# Allegro board 6089-103-RevA_73.brd (continued)
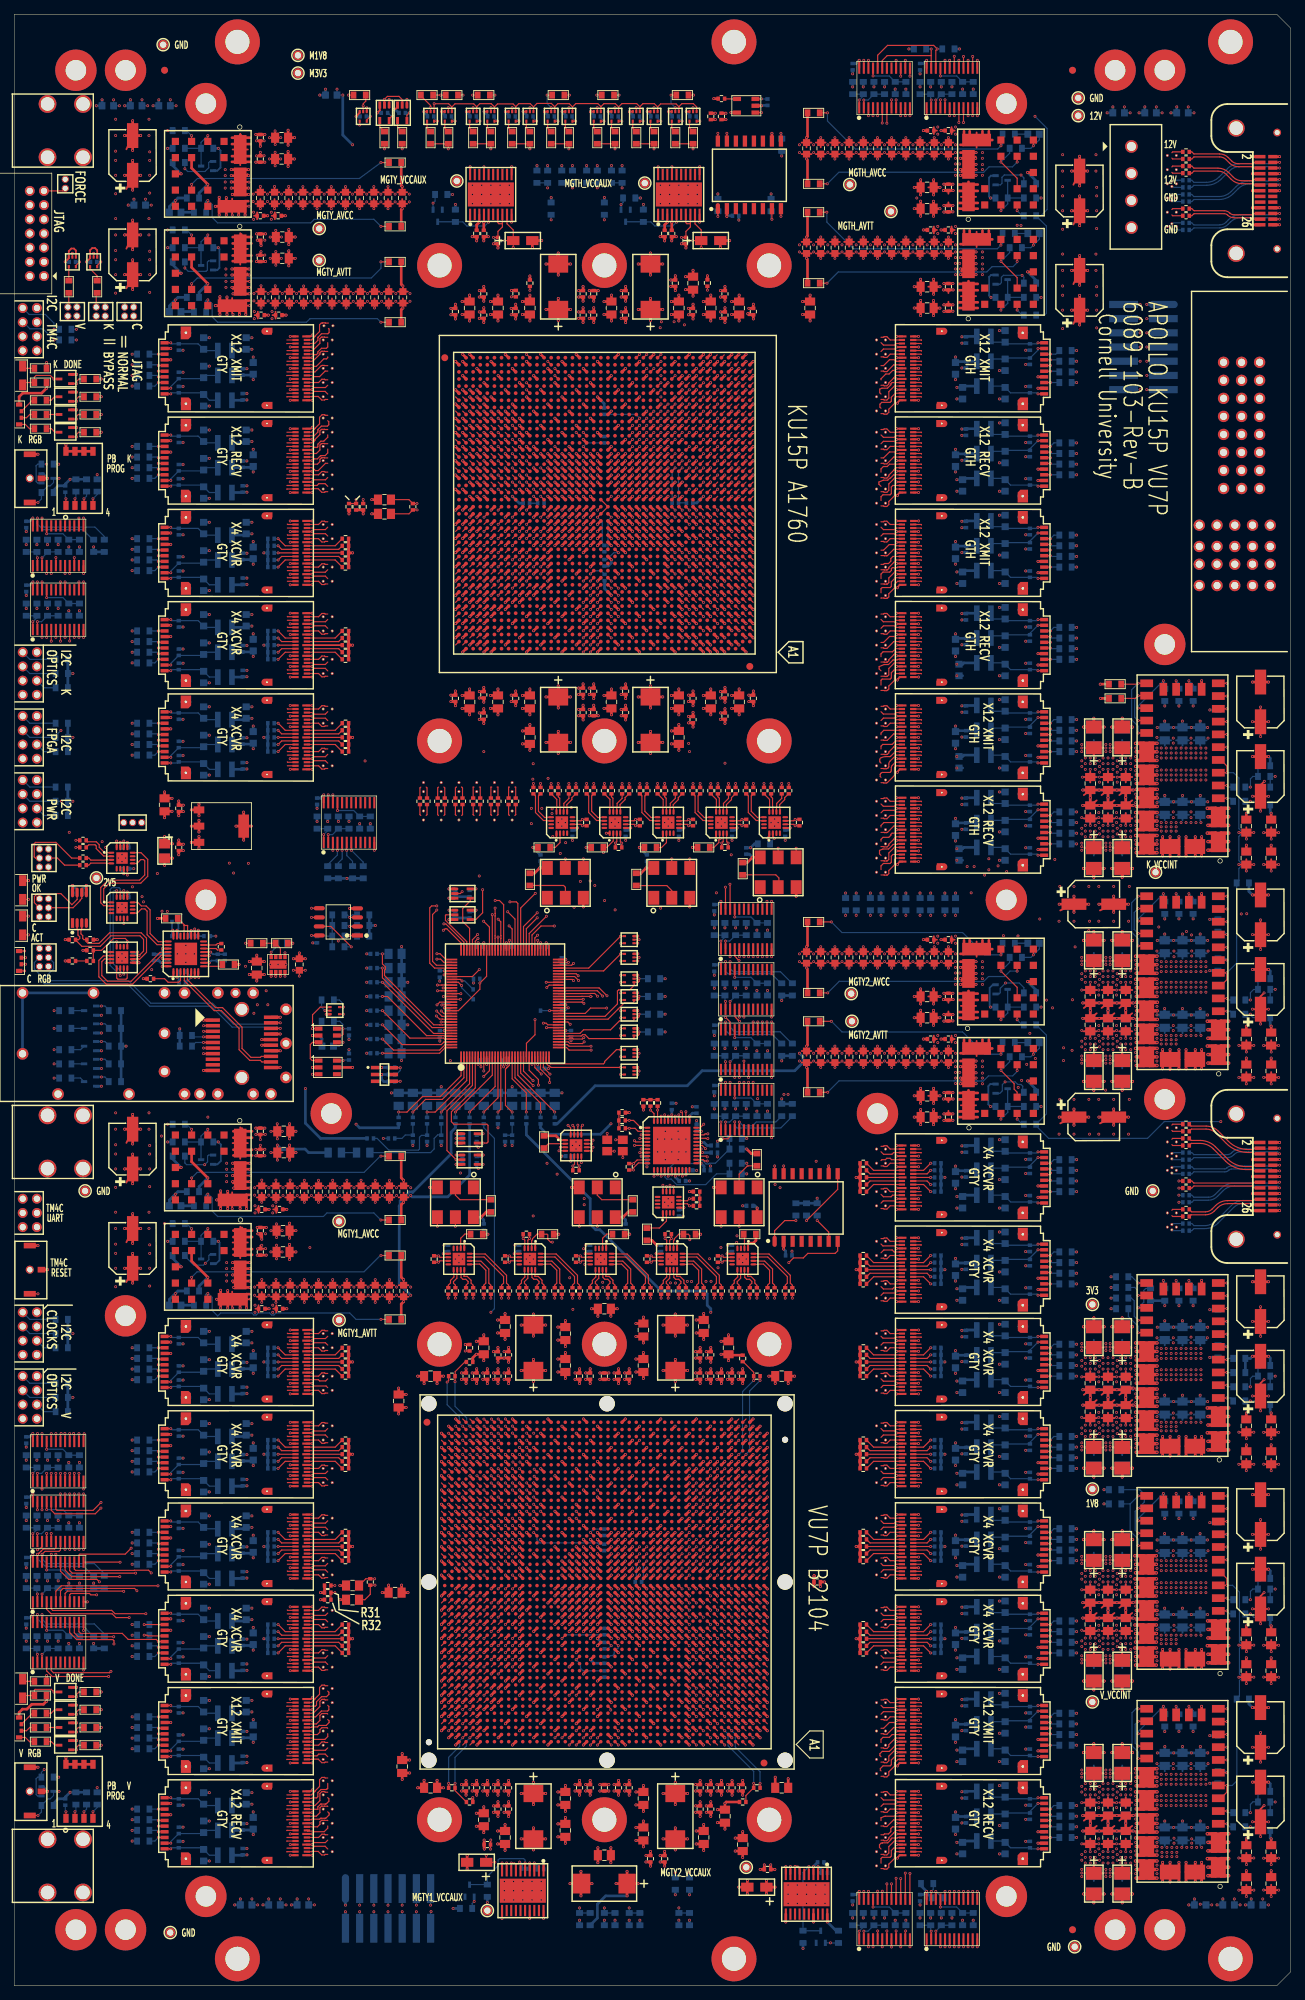
[diagram p0: board, top side]
## Routing (per net, layer and track width the routed paths; a pad name or vN(x,y) marks a point on that pad's centre or on a via; arc(x,y) is an arc through that point) (continued)
V_MGTY2_AVTT_OK: length 76.1
  TOP w0.165: v1(73.9,126.9) 73.9,127.69 72.6,129 U52.25 ; U121.9 v1(141.39,122.11)
  SIG2 w0.079: v1(141.39,122.11) 140.32,123.19 137.58,123.19 136.84,123.93 127.48,123.93 126.39,125.02 120.82,125.02 120.81,125.01 115.02,125.01 114.01,126.02 77.89,126.02 77,126.9 v1(73.9,126.9)
  BOTTOM w0.165: R324.2 142.1,121.4 v1(141.39,122.11)
V_MGTY2_VCCAUX: length 61.8
  TOP w0.25: U99.8 v1(110.08,16.8) 110.08,16.81 110.47,16.81 110.72,16.56 110.72,15.7 ; U99.9 v1(109.42,16.8)
  TOP w0.381: v1(98.2,84.87) C266.1 v1(97.56,85.45) ; U66.AE11 v1(96.16,58.86) ; U66.R11 v1(96.16,47.93) ; v1(97.56,28.35) C267.1 v1(98.2,28.93) ; U66.AC11 v1(96.16,55.93) ; v1(106.65,17.04) C302.1 v1(107.23,16.4) ; C299.1 v1(106.05,14.87) ; C299.1 v1(107.25,13.9) ; C299.1 v1(106.05,12.93) ; U66.U11 v1(96.16,49.93)
  PWR1 w0.254: 102.53,17.37 PM18.1 ; PM18.1 102.32,16.7 ; PM18.1 103.2,15.82 ; PM18.1 102.53,16.03 ; PM18.1 103.87,17.37 ; PM18.1 104.08,16.7 ; PM18.1 103.87,16.03 ; PM18.1 103.2,17.58
  BOTTOM w0.381: R490.1 72.2,119.9 81.2,110.9 81.2,107.32 81.99,106.52 82.58,106.52 91.2,97.9 97.32,97.9 97.7,97.52 97.7,95.9 98.2,95.4 v1(98.2,94.9)
V_OPTICS_I2C_SCL: length 180.9
  TOP w0.165: U101.22 v1(120.42,13.3) ; 3.92,68.2 v1(3.92,67.07) ; 3.92,76.7 v1(3.92,77.8)
  SIG1 w0.079: v1(120.42,13.3) 119.32,12.2 118.32,12.2 115.54,9.43 96.13,9.43 95.6,8.9 39.9,8.9 23.69,25.11 23.67,25.11 23.46,25.31 23.46,25.34 22.76,26.04 21.96,26.04 15.8,32.2 15.8,54.6 14.52,55.88 14.52,57.88 4.93,67.47 4.32,67.47 v1(3.92,67.07)
  SIG2 w0.079: v1(3.92,67.07) 4.78,67.92 4.78,71.48 4.09,72.17 4.09,77.64 v1(3.92,77.8) 3.92,77.84 4.75,78.66 4.75,84.36 J8.2
V_OPTICS_I2C_SDA: length 178.7
  TOP w0.165: U101.23 v1(119.78,13.3) ; U3.23 v1(3.27,77.8) ; U4.23 v1(3.27,67.07)
  SIG1 w0.079: v1(3.27,67.07) 4.07,67.86 5.64,67.86 16.8,56.7 16.8,55.64 17,55.44 17,32.3 22.5,26.8 23.1,26.8 37.32,12.58 40.03,12.58 40.23,12.38 40.23,12.37 43.2,9.4 67.6,9.4 68.1,9.9 115.5,9.9 118.2,12.6 119.07,12.6 v1(119.78,13.3)
  SIG2 w0.079: v1(3.27,67.07) 4.37,68.16 4.37,71.26 3.66,71.97 3.66,77.42 v1(3.27,77.8) 4.21,78.74 4.21,82.89 J8.4
V_TCK_1V8: length 221.9
  TOP w0.165: U66.AE13 v1(94.16,58.86) ; v1(84.7,258.83) R116.2 R113.2
  SIG3 w0.079: v1(84.7,258.83) 84.7,256.18 87.46,253.42 87.46,241.29 91.81,236.94 91.81,230.04 91.8,230.03 91.8,221.72 91.81,221.71 91.81,219.09 91.67,218.94 91.67,183.26 90.17,181.76 90.17,169.69 90.12,169.65 90.12,169.17 90.17,169.12 90.17,164.47 86.16,160.46 86.16,116.86 86.17,116.85 86.17,109.44 90.94,104.67 90.94,103.11 90.69,102.86 90.69,55.7 91.09,55.3 94.05,55.3 94.61,55.86 94.61,58.41 v1(94.16,58.86)
V_TDI: length 276.5
  TOP w0.165: U66.AE15 v1(92.17,58.86)
  SIG3 w0.079: v1(93.03,234.47) 93.69,233.81 93.69,184.42 94.71,183.4 94.71,167.97 95.53,167.14 95.53,160.79 94.8,160.06 94.8,124.16 95.55,123.4 95.55,113.04 93.97,111.46 93.97,108.6 93.96,108.59 93.96,108.31 93.97,108.3 93.97,98.6 92.68,97.31 92.68,59.38 92.17,58.87 v1(92.17,58.86) ; 7.57,235.26 7.04,235.26 6.49,235.81 6.49,236.41 14.23,244.16 14.44,244.16 14.47,244.18 18.83,244.18 18.96,244.06 33.16,244.06 33.96,244.86 34.94,244.86 35.09,245 53.2,245 57.92,240.28 86.68,240.28 91.24,235.72 v1(91.24,234.47)
  SIG4 w0.079: v1(93.03,234.47) v1(91.24,234.47)
V_TDO: length 277.6
  TOP w0.165: U66.AC13 v1(94.16,55.93)
  SIG3 w0.079: 8.84,235.26 8.93,235.26 13.3,239.65 20.75,239.65 24.39,243.29 35.29,243.29 36,244 39,244 39.5,244.5 53,244.5 57.7,239.8 85.35,239.8 91.06,234.08 91.06,233.63 v1(91.07,233.62) ; v1(94.16,55.93) 94.16,57.32 93.65,57.83 93.65,95.22 97.16,98.73 97.16,115.09 96.47,115.78 96.47,121.58 97.5,122.62 97.5,181.24 97.27,181.47 97,181.47 96.8,181.67 96.8,181.94 94.52,184.22 94.52,187.75 94.54,187.77 94.54,188.08 94.52,188.1 94.52,188.75 94.54,188.77 94.54,198.08 94.52,198.1 94.52,199.75 94.54,199.77 94.54,200.08 94.52,200.1 94.52,201.75 94.54,201.77 94.54,202.08 94.52,202.1 94.52,203.75 94.54,203.77 94.54,204.08 94.52,204.1 94.52,205.75 94.54,205.77 94.54,206.08 94.52,206.1 94.52,207.75 94.54,207.77 94.54,208.08 94.52,208.1 94.52,210.7 94.54,210.72 94.54,211.03 94.52,211.05 94.52,212.7 94.54,212.72 94.54,213.03 94.52,213.05 94.52,213.7 94.54,213.72 94.54,214.03 94.52,214.05 94.52,214.7 94.54,214.72 94.54,215.03 94.52,215.05 94.52,216.04 94.67,216.19 94.67,233.95 94.59,234.03 v1(94.48,234.03)
  SIG4 w0.079: v1(91.07,233.62) 91.52,234.07 94.54,234.07 94.58,234.03 v1(94.48,234.03)
V_TMS_1V8: length 227.2
  TOP w0.165: U66.AG15 v1(92.17,60.87) ; R92.2 R95.2 v1(67.2,258.83)
  SIG3 w0.079: v1(92.17,60.87) 91.77,61.28 91.77,86.51 91.82,86.56 91.82,104.54 89.68,106.67 89.68,122.89 89.33,123.24 89.33,123.55 90.58,124.8 90.58,164.48 92.1,166 92.1,181.76 92.59,182.25 92.59,235.05 92.3,235.34 92.3,239.23 92.22,239.31 92.22,239.59 92.3,239.67 92.3,240.13 92.22,240.21 92.22,240.49 92.3,240.57 92.3,246.43 90.5,248.23 90.5,248.28 90.43,248.35 90.43,254.86 85.39,259.89 68.27,259.89 v1(67.2,258.83)
V_VCCINT: length 415.9
  TOP w0.254: C411.1 155.1,55.81 ; C411.1 154.2,56.56 ; C411.1 153.3,55.81 ; C411.1 154.2,55.06 ; 151.7,55.06 C389.1 ; C389.1 150.8,55.81 ; C389.1 151.7,56.56 ; C389.1 152.6,55.81 ; 156.7,25.06 C433.1 ; C433.1 156.7,26.56 ; C433.1 155.8,25.81 ; C433.1 157.6,25.81 ; C404.1 152.2,16.95 ; C404.1 150.9,15.86 ; C404.1 153.5,15.86 ; 156.7,55.06 C431.1 ; C431.1 155.8,55.81 ; C431.1 157.6,55.81 ; C431.1 156.7,56.56 ; C402.1 152.2,46.95 ; C402.1 153.5,45.86 ; C402.1 150.9,45.86 ; 156.7,49.24 C432.1 ; C432.1 155.8,49.99 ; C432.1 157.6,49.99 ; C432.1 156.7,50.74 ; C414.1 154.2,20.74 ; C414.1 154.2,19.24 ; C414.1 155.1,19.99 ; C414.1 153.3,19.99 ; 156.2,58.85 C421.1 ; C421.1 154.9,59.94 ; C421.1 157.5,59.94 ; C392.1 151.7,20.74 ; C392.1 151.7,19.24 ; C392.1 152.6,19.99 ; 150.8,25.81 C391.1 ; C391.1 151.7,25.06 ; C391.1 152.6,25.81 ; C391.1 151.7,26.56 ; 154.2,25.06 C413.1 ; C413.1 153.3,25.81 ; C413.1 155.1,25.81 ; C413.1 154.2,26.56 ; 156.2,28.85 C423.1 ; C423.1 154.9,29.94 ; C423.1 157.5,29.94 ; C390.1 152.6,49.99 ; C390.1 150.8,49.99 ; C390.1 151.7,50.74 ; C390.1 151.7,49.24 ; 154.2,49.24 C412.1 ; C412.1 153.3,49.99 ; C412.1 154.2,50.74 ; C412.1 155.1,49.99 ; C422.1 156.2,46.95 ; C422.1 157.5,45.86 ; C422.1 154.9,45.86 ; C424.1 156.2,16.95 ; C424.1 157.5,15.86 ; C424.1 154.9,15.86 ; C434.1 157.6,19.99 ; C434.1 156.7,19.24 ; C434.1 156.7,20.74 ; C434.1 155.8,19.99 ; C401.1 153.5,59.94 ; C401.1 152.2,58.85 ; C401.1 150.9,59.94 ; C403.1 153.5,29.94 ; C403.1 152.2,28.85 ; C403.1 150.9,29.94
  TOP w0.381: U66.T15 v1(92.17,48.94) ; v1(87.65,27.31) C220.1 v1(88.7,28.22) ; v1(77.7,28.22) C169.1 v1(76.65,27.31) ; v1(161,59.39) 160.99,59.38 U125.22 ; U66.AG14 v1(93.16,60.87) ; C236.1 v1(93.2,85.15) ; C236.1 v1(91.47,86.7) ; C236.1 v1(93.2,88.25) ; C236.1 v1(94.93,86.7) ; U66.U20 v1(87.17,49.93) ; U66.AE20 v1(87.17,58.86) ; U66.V17 v1(90.17,50.92) ; v1(93.19,28.65) 93.19,28.61 93.2,28.61 C237.1 ; U66.T25 v1(81.24,48.94) ; U66.AK17 v1(90.17,63.87) ; U66.AA20 v1(87.17,53.95) ; U66.AA18 v1(89.18,53.95) ; U66.AF17 v1(90.17,59.85) ; v1(158.1,56.13) 158.11,56.12 U125.23 ; v1(80.56,28.35) C184.1 v1(81.2,28.93) ; U66.AA14 v1(93.16,53.95) ; U66.AB19 v1(88.16,54.94) ; v1(96.06,28.35) C255.1 v1(96.7,28.93) ; U66.AC16 v1(91.16,55.93) ; U66.V21 v1(86.15,50.92) ; U66.T23 v1(84.17,48.94) ; U66.V13 v1(94.16,50.92) ; v1(88.7,23.22) C221.1 v1(87.65,22.31) ; U66.W16 v1(91.16,51.94) ; U66.Y13 v1(94.16,52.93) ; v1(79.06,28.35) C176.1 v1(79.7,28.93) ; v1(89.06,18.35) C226.1 v1(89.7,18.93) ; C237.1 v1(94.93,27.1) ; C237.1 v1(91.47,27.1) ; C237.1 v1(93.2,25.55) ; U66.AH23 v1(84.17,61.86) ; v1(76.65,90.99) C167.1 v1(77.7,90.08) ; C157.1 v1(71.47,27.1) ; C157.1 73.2,28.61 73.19,28.61 v1(73.19,28.65) ; C157.1 v1(73.2,25.55) ; C157.1 v1(74.93,27.1) ; U66.V15 v1(92.17,50.92) ; U66.U22 v1(85.16,49.93) ; U126.22 161.08,29.38 v1(161.09,29.38) ; U66.AG22 v1(85.16,60.87) ; v1(86.7,84.87) C212.1 v1(86.06,85.45) ; U66.AB17 v1(90.17,54.94) ; U66.AE18 v1(89.18,58.86) ; U66.AE26 v1(80.25,58.86) ; v1(86.7,28.93) C213.1 v1(86.06,28.35) ; v1(69.7,84.87) C143.1 v1(69.06,85.45) ; U66.AD21 v1(86.15,57.87) ; U66.AG24 v1(82.23,60.87) ; U66.AD25 v1(81.24,57.87) ; U66.AA24 v1(82.23,53.95) ; U66.V23 v1(84.17,50.92) ; U66.AH15 v1(92.17,61.86) ; U66.T19 v1(88.16,48.94) ; U66.AH25 v1(81.24,61.86) ; U66.U24 v1(82.23,49.93) ; C156.1 v1(73.2,85.15) ; C156.1 v1(73.2,88.25) ; C156.1 v1(71.47,86.7) ; C156.1 v1(74.93,86.7) ; U66.AJ24 v1(82.23,62.88) ; v1(91.7,18.93) C231.1 v1(91.06,18.35) ; v1(81.2,84.87) C183.1 v1(80.56,85.45) ; 159.56,46.38 159.56,46.39 159.55,46.4 ; U66.U16 v1(91.16,49.93) ; v1(87.65,91.49) C218.1 v1(88.7,90.58) ; U66.AC22 v1(85.16,55.93) ; v1(96.7,84.87) C254.1 v1(96.06,85.45) ; U126.26 158.19,16.38 v1(158.18,16.39) ; U66.AK13 v1(94.16,63.87) ; C196.1 v1(87.95,14.4) ; C196.1 v1(86.4,16.13) ; C196.1 v1(86.4,12.67) ; C196.1 v1(84.85,14.4) ; U66.AF15 v1(92.17,59.85) ; U66.W24 v1(82.23,51.94) ; U66.T13 v1(94.16,48.94) ; v1(77.7,23.72) C170.1 v1(76.65,22.81) ; U66.Y21 v1(86.15,52.93) ; U66.AJ22 v1(85.16,62.88) ; v1(88.7,85.58) C219.1 v1(87.65,86.49) ; U66.T17 v1(90.17,48.94) ; U66.AD17 v1(90.17,57.87) ; v1(69.7,28.93) C144.1 v1(69.06,28.35) ; U66.AB21 v1(86.15,54.94) ; U66.U18 v1(89.18,49.93) ; U66.AK21 v1(86.15,63.87) ; U66.W20 v1(87.17,51.94) ; U66.AK23 v1(84.17,63.87) ; U66.AJ16 v1(91.16,62.88) ; v1(79.06,85.45) C175.1 v1(79.7,84.87) ; U66.AB25 v1(81.24,54.94) ; v1(84.56,28.35) C203.1 v1(85.2,28.93) ; U66.V25 v1(81.24,50.92) ; v1(161.01,49.64) 161,49.62 U125.25 ; v1(77.7,85.58) C168.1 v1(76.65,86.49) ; 159.64,29.38 159.63,29.38 159.63,29.38 ; 159.64,19.63 159.65,19.62 U126.25 ; U66.AB13 v1(94.16,54.94) ; U66.AJ20 v1(87.17,62.88) ; U66.Y17 v1(90.17,52.93) ; U66.AD19 v1(88.16,57.87) ; U66.AF25 v1(81.24,59.85) ; U66.AK15 v1(92.17,63.87) ; U66.AE22 v1(85.16,58.86) ; U66.AB23 v1(84.17,54.94) ; U66.W18 v1(89.18,51.94) ; U66.AK19 v1(88.16,63.87) ; U66.AC24 v1(82.23,55.93) ; U66.AD15 v1(92.17,57.87) ; U66.AJ14 v1(93.16,62.88) ; U66.AB15 v1(92.17,54.94) ; U66.Y15 v1(92.17,52.93) ; U66.T21 v1(86.15,48.94) ; U66.AA16 v1(91.16,53.95) ; U66.AA22 v1(85.16,53.95) ; U66.AH21 v1(86.15,61.86) ; U66.AG16 v1(91.16,60.87) ; U66.Y25 v1(81.24,52.93) ; U66.AC14 v1(93.16,55.93) ; U66.AH13 v1(94.16,61.86) ; U66.AH17 v1(90.17,61.86) ; U66.AC18 v1(89.18,55.93) ; C392.1 150.8,19.99 ; U125.26 160.99,46.38 v1(161,46.4) ; U66.AE24 v1(82.23,58.86) ; U66.V19 v1(88.16,50.92) ; U66.AG20 v1(87.17,60.87) ; v1(85.2,84.87) C202.1 v1(84.56,85.45) ; U66.Y23 v1(84.17,52.93) ; U66.W14 v1(93.16,51.94) ; U66.AE14 v1(93.16,58.86) ; U66.AF23 v1(84.17,59.85) ; U66.AF21 v1(86.15,59.85) ; U66.Y19 v1(88.16,52.93) ; U66.AD23 v1(84.17,57.87) ; U66.AC20 v1(87.17,55.93) ; U66.AE16 v1(91.16,58.86) ; U66.W22 v1(85.16,51.94) ; U66.U14 v1(93.16,49.93)
  TOP w0.5: v1(161.09,19.63) 159.64,19.63 ; 159.64,19.63 v1(158.19,19.63) ; 159.64,19.63 159.64,20.45 ; 159.64,19.63 159.64,18.8 ; 159.55,45.57 159.55,46.4 ; 159.55,45.57 159.17,45.19 v1(158.09,45.19) ; 159.55,45.57 159.93,45.19 v1(161,45.19) ; 159.55,46.4 v1(158.09,46.4) ; 159.55,46.4 v1(161,46.4) ; 159.55,46.4 159.55,47.22 ; 159.54,60.22 159.17,60.59 v1(158,60.59) ; 159.54,60.22 159.54,59.39 ; 159.54,60.22 159.93,60.59 v1(161.01,60.59) ; 159.63,17.21 160.01,17.59 v1(161.1,17.59) ; 159.63,17.21 159.63,16.39 ; 159.63,17.21 159.26,17.59 v1(158.09,17.59) ; v1(158.09,58.19) 159.17,58.19 159.54,58.56 ; v1(161.09,15.18) 160.02,15.18 159.63,15.56 ; 159.64,26.12 159.64,26.95 ; 159.64,26.12 159.64,25.3 ; 159.64,26.12 U126.23 v1(161.09,26.12) ; 159.64,26.12 v1(158.19,26.12) ; 159.64,26.95 160.02,27.33 v1(161.1,27.33) ; 159.64,26.95 159.26,27.32 v1(158.09,27.32) ; v1(161.09,18.42) 160.02,18.42 159.64,18.8 ; 159.64,25.3 159.26,24.92 v1(158.18,24.92) ; 159.64,25.3 160.02,24.91 v1(161.09,24.91) ; v1(158.17,28.18) 159.25,28.18 159.63,28.55 ; 159.54,58.56 159.54,59.39 ; 159.54,58.56 159.93,58.18 v1(161,58.18) ; 159.54,59.39 v1(158.09,59.39) ; 159.54,59.39 v1(161,59.39) ; 159.63,30.2 159.25,30.58 v1(158.08,30.58) ; 159.63,30.2 159.63,29.38 ; 159.63,30.2 160.01,30.59 v1(161.09,30.59) ; v1(158.18,15.18) 159.26,15.18 159.63,15.56 ; 159.55,47.22 159.93,47.6 v1(161.01,47.6) ; 159.55,47.22 159.18,47.59 v1(158,47.59) ; 159.56,49.64 159.56,50.47 ; 159.56,49.64 v1(161.01,49.64) ; 159.56,49.64 159.56,48.81 ; 159.56,49.64 v1(158.1,49.64) ; 159.56,50.47 159.94,50.84 v1(161.02,50.84) ; 159.56,50.47 159.18,50.84 v1(158,50.84) ; 159.64,20.45 160.02,20.84 v1(161.1,20.84) ; 159.64,20.45 159.26,20.83 v1(158.09,20.83) ; 159.64,18.8 159.26,18.43 v1(158.18,18.43) ; 159.56,55.31 159.56,56.13 ; 159.56,55.31 159.94,54.92 v1(161.01,54.92) ; 159.56,55.31 159.18,54.93 v1(158.09,54.93) ; 159.56,56.13 v1(161.01,56.13) ; 159.56,56.13 159.56,56.96 ; 159.56,56.13 v1(158.1,56.13) ; v1(161.09,28.17) 160.01,28.17 159.63,28.55 ; 159.56,48.81 159.18,48.44 v1(158.09,48.44) ; 159.56,48.81 159.94,48.43 v1(161.01,48.43) ; 159.56,56.96 159.94,57.34 v1(161.02,57.34) ; 159.56,56.96 159.18,57.34 v1(158,57.34) ; 159.63,16.39 159.63,15.56 ; 159.63,16.39 v1(158.18,16.39) ; 159.63,16.39 v1(161.09,16.39) ; 159.63,28.55 159.63,29.38 ; 159.63,29.38 v1(161.09,29.38) ; 159.63,29.38 v1(158.18,29.38)
  PWR2 w0.254: PM5.1 152.67,40.67 ; PM5.1 152,40.88 ; PM5.1 152.67,39.33 ; PM5.1 151.33,39.33 ; PM5.1 151.33,40.67 ; PM5.1 152,39.12 ; PM5.1 151.12,40 ; PM5.1 152.88,40
  BOTTOM w0.254: C391.1 151.7,26.56 ; C391.1 150.8,25.81 ; C391.1 152.6,25.81 ; C391.1 151.7,25.06 ; 154.9,59.94 C421.1 ; C421.1 156.2,61.03 ; C421.1 157.5,59.94 ; C421.1 156.2,58.85 ; C390.1 152.6,49.99 ; C390.1 151.7,50.74 ; C390.1 151.7,49.24 ; C390.1 150.8,49.99 ; 150.9,59.94 C401.1 ; C401.1 152.2,61.03 ; C401.1 152.2,58.85 ; C401.1 153.5,59.94 ; 163.8,60.99 C513.1 ; C513.1 165.6,60.99 ; C513.1 164.7,60.24 ; 150.8,19.99 C392.1 ; C392.1 152.6,19.99 ; C392.1 151.7,20.74 ; C392.1 151.7,19.24 ; 162.2,49.74 C524.1 ; C524.1 161.3,50.49 ; C524.1 163.1,50.49 ; 152.2,14.77 C404.1 ; C404.1 153.5,15.86 ; C404.1 150.9,15.86 ; C404.1 152.2,16.95 ; 161.3,30.99 C525.1 ; C525.1 163.1,30.99 ; C525.1 162.2,30.24 ; 166.3,20.49 C490.1 167.2,19.74 ; 154.9,29.94 C423.1 ; C423.1 157.5,29.94 ; C423.1 156.2,28.85 ; C423.1 156.2,31.03 ; C514.1 165.6,50.49 ; C514.1 164.7,49.74 ; C514.1 163.8,50.49 ; 164.7,30.24 C515.1 ; C515.1 165.6,30.99 ; C515.1 163.8,30.99 ; C431.1 157.6,55.81 ; C431.1 156.7,55.06 ; C431.1 156.7,56.56 ; C431.1 155.8,55.81 ; 152.2,44.77 C402.1 ; C402.1 153.5,45.86 ; C402.1 150.9,45.86 ; C402.1 152.2,46.95 ; C434.1 156.7,20.74 ; C434.1 157.6,19.99 ; C434.1 156.7,19.24 ; C434.1 155.8,19.99 ; 164.7,19.74 C516.1 ; C516.1 163.8,20.49 ; C516.1 165.6,20.49 ; C412.1 154.2,50.74 ; C412.1 155.1,49.99 ; C412.1 153.3,49.99 ; C412.1 154.2,49.24 ; C403.1 152.2,31.03 ; C403.1 152.2,28.85 ; C403.1 153.5,29.94 ; C403.1 150.9,29.94 ; 155.8,25.81 C433.1 ; C433.1 157.6,25.81 ; C433.1 156.7,26.56 ; C433.1 156.7,25.06 ; 153.3,55.81 C411.1 ; C411.1 154.2,56.56 ; C411.1 154.2,55.06 ; C411.1 155.1,55.81 ; C424.1 156.2,16.95 ; C424.1 154.9,15.86 ; C424.1 156.2,14.77 ; C424.1 157.5,15.86 ; 156.7,49.24 C432.1 ; C432.1 157.6,49.99 ; C432.1 155.8,49.99 ; C432.1 156.7,50.74 ; C422.1 156.2,46.95 ; C422.1 154.9,45.86 ; C422.1 157.5,45.86 ; C422.1 156.2,44.77 ; C487.1 168.1,60.99 ; C487.1 167.2,60.24 ; C487.1 166.3,60.99 ; 162.2,19.74 C526.1 ; C526.1 161.3,20.49 ; C526.1 163.1,20.49 ; C414.1 154.2,20.74 ; C414.1 153.3,19.99 ; C414.1 154.2,19.24 ; C414.1 155.1,19.99 ; 162.2,60.24 C523.1 ; C523.1 161.3,60.99 ; C523.1 163.1,60.99 ; C413.1 154.2,26.56 ; C413.1 154.2,25.06 ; C413.1 153.3,25.81 ; C413.1 155.1,25.81 ; C389.1 151.7,56.56 ; C389.1 150.8,55.81 ; C389.1 152.6,55.81 ; C389.1 151.7,55.06 ; 167.2,30.24 C489.1 ; C489.1 166.3,30.99 ; C489.1 168.1,30.99 ; 166.3,50.49 C488.1 167.2,49.74
  BOTTOM w0.381: R256.2 v1(153.63,67.9) ; R494.1 v1(68.2,120.89) ; v1(86.4,12.67) 83.39,12.67 82.22,11.5 82.22,9.55 R478.1
  vias: v1(150.5,60.5) v1(150.5,60) v1(150.5,59.5) v1(150.5,58.1) v1(150.5,57.3) v1(150.5,55.8) v1(150.5,50.1) v1(150.5,48.6) v1(150.5,47.8) v1(150.5,46.5) v1(150.5,46) v1(150.5,45.5) v1(150.5,30.4) v1(150.5,29.9) v1(150.5,29.4) v1(150.5,28.1) v1(150.5,27.3) v1(150.5,25.8) v1(150.5,20) v1(150.5,18.5) v1(150.5,17.7) v1(150.5,16.4) v1(150.5,15.9) v1(150.5,15.4) v1(151,58.5) v1(151,57.7) v1(151,56.9) v1(151,49) v1(151,48.2) v1(151,47.4) v1(151,28.5) v1(151,27.7) v1(151,26.9) v1(151,18.9) v1(151,18.1) v1(151,17.3) v1(151.7,58.5) v1(151.7,57.7) v1(151.7,56.9) v1(151.7,49) v1(151.7,48.2) v1(151.7,47.4) v1(151.7,28.5) v1(151.7,27.7) v1(151.7,26.9) v1(151.7,18.9) v1(151.7,18.1) v1(151.7,17.3) v1(152.4,58.5) v1(152.4,57.7) v1(152.4,56.9) v1(152.4,49) v1(152.4,48.2) v1(152.4,47.4) v1(152.4,28.5) v1(152.4,27.7) v1(152.4,26.9) v1(152.4,18.9) v1(152.4,18.1) v1(152.4,17.3) v1(152.9,56.5) v1(152.9,55.8) v1(152.9,55.1) v1(152.9,50.8) v1(152.9,50.1) v1(152.9,49.4) v1(152.9,26.5) v1(152.9,25.8) v1(152.9,25.1) v1(152.9,20.7) v1(152.9,20) v1(152.9,19.3) v1(153,58.1) v1(153,57.3) v1(153,48.6) v1(153,47.8) v1(153,28.1) v1(153,27.3) v1(153,18.5) v1(153,17.7) v1(153.5,58.5) v1(153.5,57.7) v1(153.5,56.9) v1(153.5,49) v1(153.5,48.2) v1(153.5,47.4) v1(153.5,28.5) v1(153.5,27.7) v1(153.5,26.9) v1(153.5,18.9) v1(153.5,18.1) v1(153.5,17.3) v1(153.9,60.5) v1(153.9,60) v1(153.9,59.5) v1(153.9,46.5) v1(153.9,46) v1(153.9,45.5) v1(153.9,30.4) v1(153.9,29.9) v1(153.9,29.4) v1(153.9,16.4) v1(153.9,15.9) v1(153.9,15.4) v1(154.2,58.5) v1(154.2,57.7) v1(154.2,56.9) v1(154.2,49) v1(154.2,48.2) v1(154.2,47.4) v1(154.2,28.5) v1(154.2,27.7) v1(154.2,26.9) v1(154.2,18.9) v1(154.2,18.1) v1(154.2,17.3) v1(154.5,60.5) v1(154.5,60) v1(154.5,59.5) v1(154.5,46.5) v1(154.5,46) v1(154.5,45.5) v1(154.5,30.4) v1(154.5,29.9) v1(154.5,29.4) v1(154.5,16.4) v1(154.5,15.9) v1(154.5,15.4) v1(154.9,58.5) v1(154.9,57.7) v1(154.9,56.9) v1(154.9,49) v1(154.9,48.2) v1(154.9,47.4) v1(154.9,28.5) v1(154.9,27.7) v1(154.9,26.9) v1(154.9,18.9) v1(154.9,18.1) v1(154.9,17.3) v1(155.4,56.5) v1(155.4,55.8) v1(155.4,55.1) v1(155.4,50.8) v1(155.4,50.1) v1(155.4,49.4) v1(155.4,26.5) v1(155.4,25.8) v1(155.4,25.1) v1(155.4,20.7) v1(155.4,20) v1(155.4,19.3) v1(155.5,58.1) v1(155.5,57.3) v1(155.5,48.6) v1(155.5,47.8) v1(155.5,28.1) v1(155.5,27.3) v1(155.5,18.5) v1(155.5,17.7) v1(156,58.5) v1(156,57.7) v1(156,56.9) v1(156,49) v1(156,48.2) v1(156,47.4) v1(156,28.5) v1(156,27.7) v1(156,26.9) v1(156,18.9) v1(156,18.1) v1(156,17.3) v1(156.7,58.5) v1(156.7,57.7) v1(156.7,56.9) v1(156.7,49) v1(156.7,48.2) v1(156.7,47.4) v1(156.7,28.5) v1(156.7,27.7) v1(156.7,26.9) v1(156.7,18.9) v1(156.7,18.1) v1(156.7,17.3) v1(157.4,58.5) v1(157.4,57.7) v1(157.4,56.9) v1(157.4,49) v1(157.4,48.2) v1(157.4,47.4) v1(157.4,28.5) v1(157.4,27.7) v1(157.4,26.9) v1(157.4,18.9) v1(157.4,18.1) v1(157.4,17.3) v1(158.1,60) v1(158.1,58.8) v1(158.1,56.7) v1(158.1,55.5) v1(158.1,50.2) v1(158.1,49) v1(158.1,47) v1(158.1,45.8) v1(158.1,30) v1(158.1,28.8) v1(158.1,26.7) v1(158.1,25.5) v1(158.1,20.2) v1(158.1,19) v1(158.1,17) v1(158.1,15.8) v1(161.1,61.3) v1(161.1,60) v1(161.1,58.8) v1(161.1,56.7) v1(161.1,55.5) v1(161.1,50.2) v1(161.1,49) v1(161.1,47) v1(161.1,45.8) v1(161.1,31.3) v1(161.1,30) v1(161.1,28.8) v1(161.1,26.7) v1(161.1,25.5) v1(161.1,20.2) v1(161.1,19) v1(161.1,17) v1(161.1,15.8) v1(161.7,59.9) v1(161.7,59.2) v1(161.7,58.5) v1(161.7,56.8) v1(161.7,56.1) v1(161.7,55.4) v1(161.7,49.4) v1(161.7,48.8) v1(161.7,48.2) v1(161.7,29.8) v1(161.7,29.1) v1(161.7,28.4) v1(161.7,26.8) v1(161.7,26.1) v1(161.7,25.4) v1(161.8,19.5) v1(161.8,18.8) v1(161.8,18.2) v1(162.4,59.9) v1(162.4,59.2) v1(162.4,58.5) v1(162.4,56.8) v1(162.4,56.1) v1(162.4,55.4) v1(162.4,49.4) v1(162.4,48.8) v1(162.4,48.2) v1(162.4,29.8) v1(162.4,29.1) v1(162.4,28.4) v1(162.4,26.8) v1(162.4,26.1) v1(162.4,25.4) v1(162.5,19.5) v1(162.5,18.8) v1(162.5,18.2) v1(163.1,59.9) v1(163.1,59.2) v1(163.1,58.5) v1(163.1,56.8) v1(163.1,56.1) v1(163.1,55.4) v1(163.1,49.4) v1(163.1,48.8) v1(163.1,48.2) v1(163.1,29.8) v1(163.1,29.1) v1(163.1,28.4) v1(163.1,26.8) v1(163.1,26.1) v1(163.1,25.4) v1(163.2,19.5) v1(163.2,18.8) v1(163.2,18.2) v1(163.4,61.3) v1(163.4,60.6) v1(163.4,31.3) v1(163.4,30.6) v1(163.5,50.8) v1(163.5,50.1) v1(163.5,20.8) v1(163.5,20.1) v1(163.8,59.9) v1(163.8,59.2) v1(163.8,58.5) v1(163.8,56.8) v1(163.8,56.1) v1(163.8,55.4) v1(163.8,49.4) v1(163.8,48.8) v1(163.8,48.2) v1(163.8,29.8) v1(163.8,29.1) v1(163.8,28.4) v1(163.8,26.8) v1(163.8,26.1) v1(163.8,25.4) v1(163.9,19.5) v1(163.9,18.8) v1(163.9,18.2) v1(164.5,59.9) v1(164.5,59.2) v1(164.5,58.5) v1(164.5,56.8) v1(164.5,56.1) v1(164.5,55.4) v1(164.5,49.4) v1(164.5,29.8) v1(164.5,29.1) v1(164.5,28.4) v1(164.5,26.8) v1(164.5,26.1) v1(164.5,25.4) v1(164.6,19.5) v1(165.2,59.9) v1(165.2,59.2) v1(165.2,58.5) v1(165.2,56.8) v1(165.2,56.1) v1(165.2,55.4) v1(165.2,49.4) v1(165.2,29.8) v1(165.2,29.1) v1(165.2,28.4) v1(165.2,26.8) v1(165.2,26.1) v1(165.2,25.4) v1(165.3,19.5) v1(165.9,61.3) v1(165.9,60.6) v1(165.9,59.9) v1(165.9,59.2) v1(165.9,58.5) v1(165.9,56.8) v1(165.9,56.1) v1(165.9,55.4) v1(165.9,50.8) v1(165.9,50.1) v1(165.9,49.4) v1(165.9,31.3) v1(165.9,30.6) v1(165.9,29.8) v1(165.9,29.1) v1(165.9,28.4) v1(165.9,26.8) v1(165.9,26.1) v1(165.9,25.4) v1(166,20.7) v1(166,20.1) v1(166,19.5) v1(166.6,59.9) v1(166.6,59.2) v1(166.6,58.5) v1(166.6,56.8) v1(166.6,56.1) v1(166.6,55.4) v1(166.6,49.4) v1(166.6,29.8) v1(166.6,29.1) v1(166.6,28.4) v1(166.6,26.8) v1(166.6,26.1) v1(166.6,25.4) v1(166.7,19.5) v1(167.3,59.9) v1(167.3,59.2) v1(167.3,58.5) v1(167.3,56.8) v1(167.3,56.1) v1(167.3,55.4) v1(167.3,49.4) v1(167.3,29.8) v1(167.3,29.1) v1(167.3,28.4) v1(167.3,26.8) v1(167.3,26.1) v1(167.3,25.4) v1(167.4,19.5) v1(168,59.9) v1(168,59.2) v1(168,58.5) v1(168,56.8) v1(168,56.1) v1(168,55.4) v1(168,29.8) v1(168,29.1) v1(168,28.4) v1(168,26.8) v1(168,26.1) v1(168,25.4) v1(168.3,61.3) v1(168.3,31.3)
V_VCCINT_A_SCL: length 140.4
  TOP w0.165: U91.11 v1(106.12,145) ; U125.10 v1(170.95,65.42)
  SIG1 w0.079: v1(144.57,150.31) 144.41,150.15 144.41,127.39 151.46,120.34 151.74,120.34 151.94,120.14 151.94,119.86 153.6,118.2 153.6,110.39 165.1,98.89 165.1,96.44 166.06,95.48 166.12,95.48 169.56,92.05 169.56,66.82 v1(170.95,65.42) ; v1(106.12,145) 106.15,145 108.21,147.06 128.46,147.06 132.23,150.83 v1(132.7,150.83)
  SIG4 w0.079: v1(132.7,150.83) 133.4,150.13 144.09,150.13 144.28,150.31 v1(144.57,150.31)
  BOTTOM w0.165: R341.1 v1(132.7,150.83)
V_VCCINT_A_SDA: length 139.7
  TOP w0.165: U125.11 v1(170.95,67.22) ; U91.10 v1(105.47,145)
  SIG1 w0.079: v1(170.95,67.22) 170.17,68.01 170.17,91.93 166.7,95.4 166.7,99 154.1,111.6 154.1,120.73 145,129.83 145,137.32 145.16,137.49 145.16,138.71 145.15,138.73 145.15,139.04 145.16,139.06 145.16,150.51 144.87,150.81 144.78,150.81 144.75,150.84 137.36,150.84 137,151.2 131.57,151.2 v1(131.2,150.83) 130.13,150.83 126.7,147.4 107.88,147.4 v1(105.47,145)
  BOTTOM w0.165: R345.1 v1(131.2,150.83)
V_VCCINT_B_SCL: length 164.4
  TOP w0.165: U91.14 v1(106.12,152.8) ; U126.10 v1(170.95,35.42)
  SIG1 w0.079: v1(106.12,152.8) 108.63,150.3 116.49,150.3 116.49,150.29 117.21,150.29 117.21,150.3 118.17,150.3 v1(118.7,150.83)
  SIG3 w0.079: v1(170.95,35.42) 169.8,36.58 169.8,63 168.2,64.6 168.2,65.5 159.5,74.2 159.5,99.5 152.4,106.6 152.4,113.29 142.52,123.17 142.52,128.48 141.02,129.98 141.02,143.12 141.08,143.18 141.08,146.34 v1(139.46,147.96)
  SIG4 w0.079: v1(118.7,150.83) 121.12,148.41 138.94,148.41 139.38,147.96 v1(139.46,147.96)
  BOTTOM w0.165: R401.1 v1(118.7,150.83)
V_VCCINT_B_SDA: length 162.9
  TOP w0.165: U126.11 v1(170.95,37.23) ; U91.13 v1(106.78,152.8)
  SIG1 w0.079: v1(170.95,37.23) 170.3,37.88 170.3,62.3 160.31,72.29 160.31,99.73 151.2,108.84 151.2,115.61 143.41,123.41 143.41,128.11 141.51,130 141.51,135.71 141.76,135.96 141.76,147.33 141.51,147.58 v1(141.51,147.92) ; v1(106.78,152.8) 115.22,152.8 v1(117.2,150.83)
  SIG3 w0.079: v1(141.51,147.92) 140.93,148.5 119.53,148.5 v1(117.2,150.83)
  BOTTOM w0.165: R404.1 v1(117.2,150.83)
V_VCCINT_PG_A: length 12.5
  TOP w0.165: U52.32 75.4,130.07 75.57,129.9 83.06,129.9 83.23,130.07 83.23,130.23 84.9,131.9 v1(85.49,131.9) U75.4
V_VCCINT_PG_A_1: length 151.8
  TOP w0.165: U75.1 v1(87.91,130.9)
  SIG1 w0.079: v1(142.74,129.84) 143.82,128.75 143.82,125.41 147.17,122.06 147.83,122.06 152.3,117.59 152.3,110.2 161.1,101.4 161.1,96.25 165.45,91.9 166.5,91.9 169,89.4 169,66.1 173.9,61.2 173.9,52.77 v1(174.27,52.4)
  SIG4 w0.079: v1(142.74,129.84) 142.68,129.84 141.63,130.89 138.95,130.89 138.94,130.9 v1(87.91,130.9)
  BOTTOM w0.165: R224.2 v1(174.27,52.4) 174.77,51.9 R208.1 R207.2
V_VCCINT_PG_A_2: length 150.8
  TOP w0.165: U75.2 v1(88.09,131.4)
  SIG3 w0.079: v1(174.27,54.4) 174.23,54.45 174.23,63.46 174.22,63.47 174.22,63.75 174.23,63.76 174.23,70.77 169.3,75.7 169.3,95 154.5,109.8 154.5,115.7 149.27,120.93 149.26,120.93 149.06,121.13 149.06,121.14 147.66,122.54 147.66,122.54 147.46,122.74 147.46,122.74 144.16,126.04 144.16,130.46 v1(143.96,130.66)
  SIG4 w0.079: v1(143.96,130.66) 143.75,130.66 143.31,131.1 143.31,131.21 142.57,131.94 110.56,131.94 110.02,131.4 v1(88.09,131.4)